# Altium PCB LM331+MCU.PcbDoc
Units mm, origin at the board's own origin, x right, y up, seen from the top; angles counter-clockwise.
Board outline 152.4 x 101.6 mm, 2 copper layers (Top Layer, Bottom Layer); 25 components, 26 nets, 137 pads, 0 vias.
Unrouted connection lines stored in the file: 1.
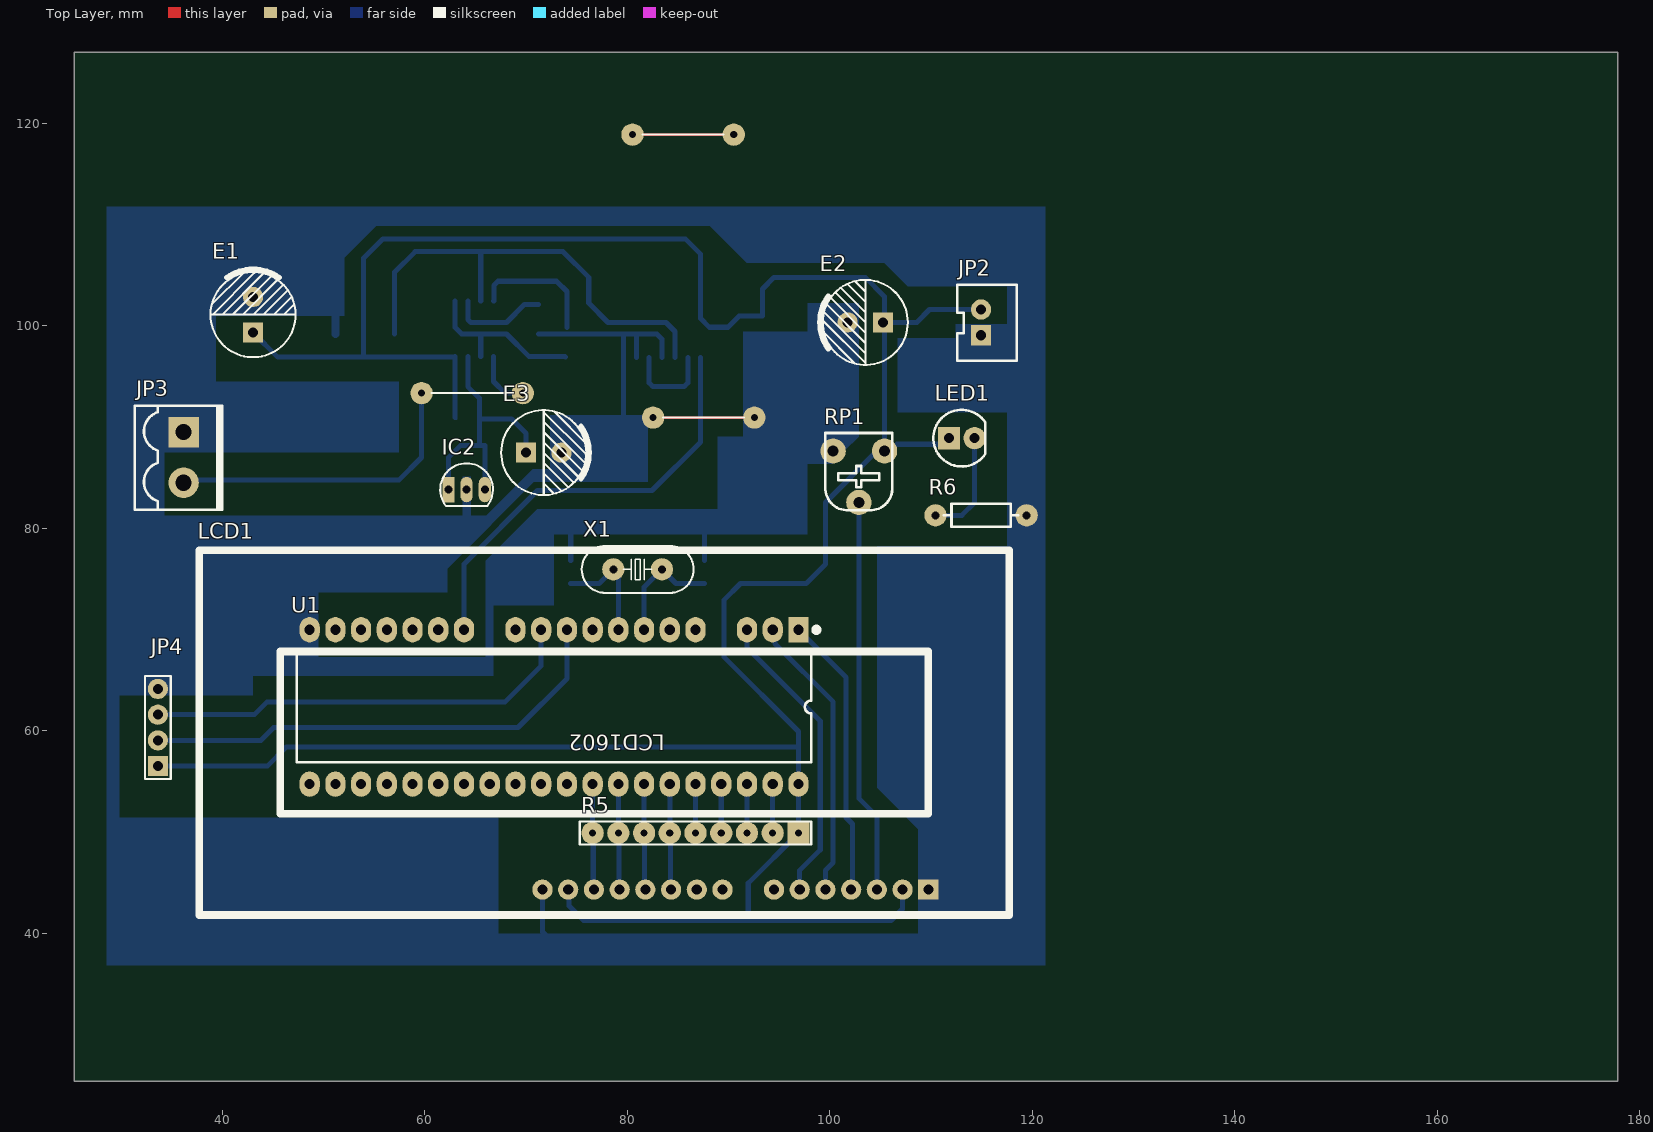
[diagram p0: Top Layer view]
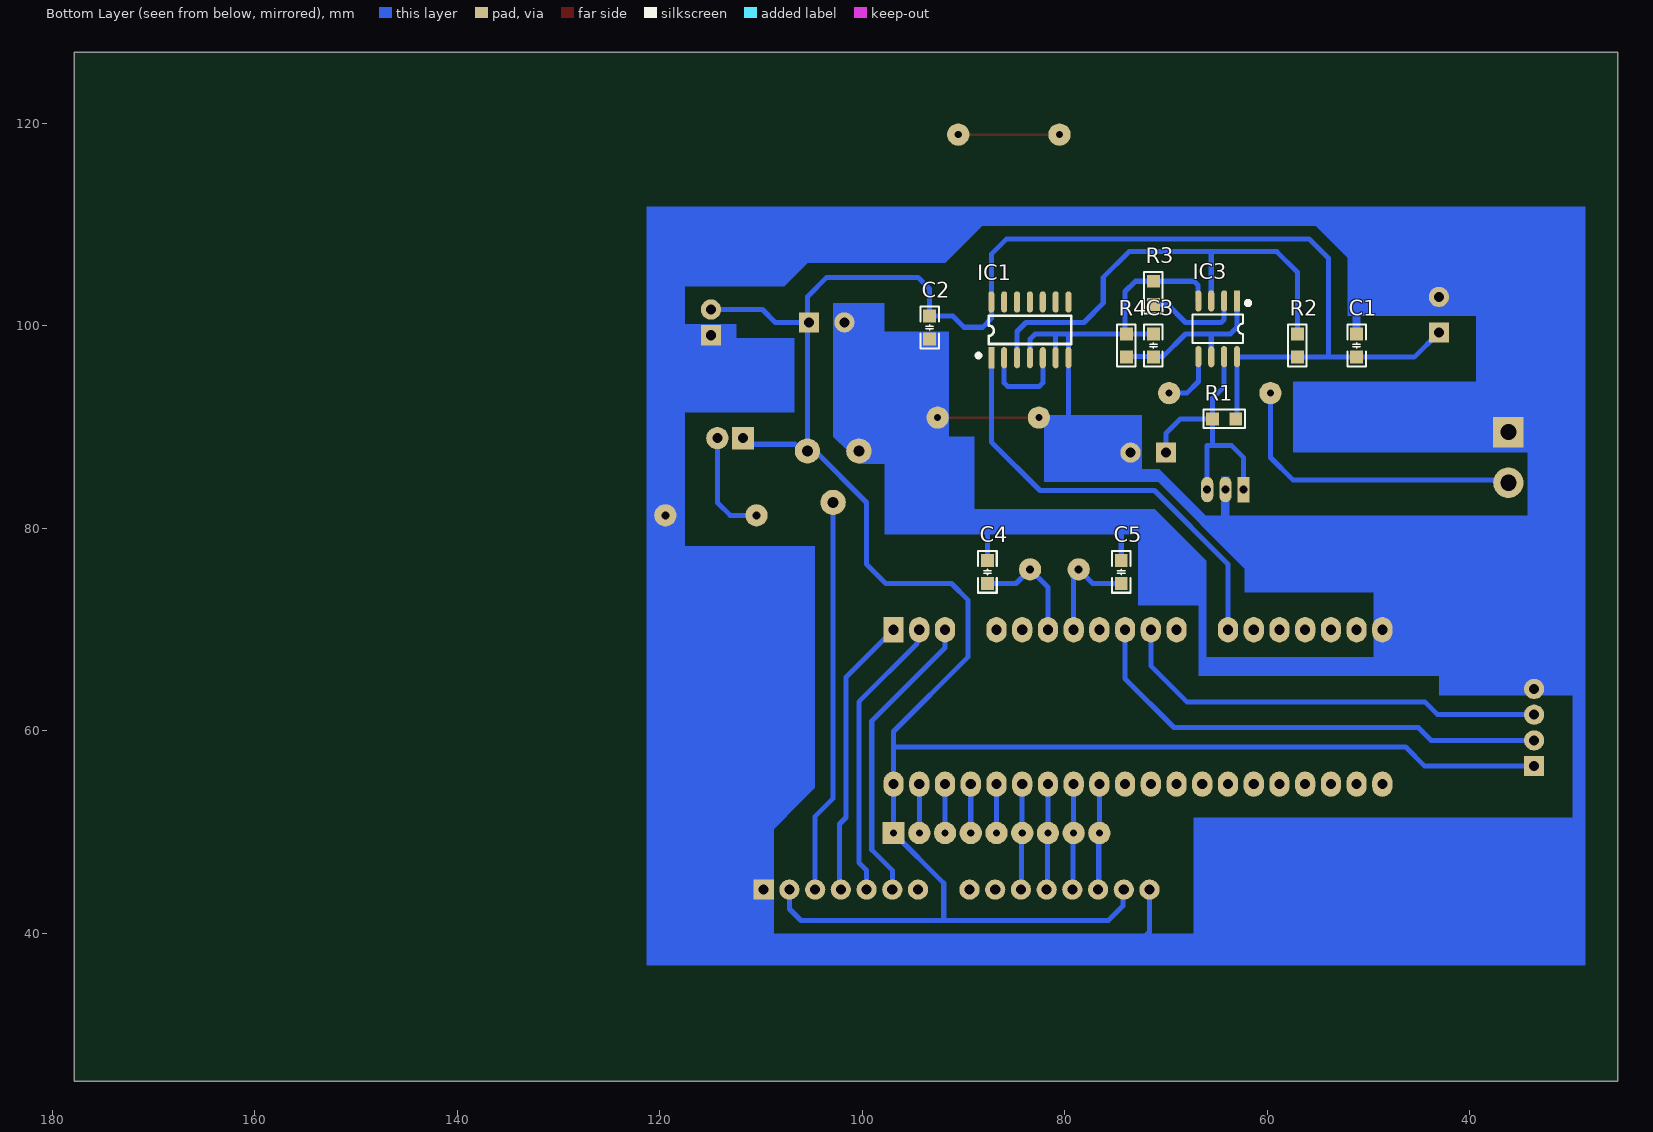
[diagram p1: Bottom Layer view, seen from below]

## Layer stack, top to bottom
Top Solder: solder mask 0.0102, Solder Resist, Dk 3.5
Top Layer: signal copper 0.0356
Dielectric 1: dielectric 0.32, FR-4, Dk 4.8
Bottom Layer: signal copper 0.0356
Bottom Solder: solder mask 0.0102, Solder Resist, Dk 3.5

## Board outline
25.4,25.4 177.8,25.4 177.8,127 25.4,127

## Design rules (kind name [scope] priority, off if disabled: settings)
Clearance [All] p1: gap=0.254 ignorepadtopadclearanceinfootprint=FALSE except(0: Arc-Hole Track-Hole SMDPad-Hole THPad-Hole Via-Hole Fill-Hole Poly-Hole Region-Hole Text-Hole)
PolygonConnect [All] p1: connectstyle=Relief reliefconductorwidth=0.254 reliefentries=4 polygonreliefangle="90 Angle" airgapwidth=0.254
RoutingVias [All] p1: holewidth=0.711 width=1.27 viastyle="Through Hole" minholewidth=0.711 minwidth=1.27 maxholewidth=0.711 maxwidth=1.27
SolderMaskExpansion [All] p1: expansion=0.102
Width [All] p1: maxlimit=1 minlimit=0.254 preferedwidth=0.8 toplayer_maxwidth=0.254 toplayer_prefwidth=0.254 bottomlayer_minwidth=0.5 minimp=50.000000 maximp=50.000000 favimp=50.000000
30 further rules are at their usual default settings.

## Components (designator, comment, footprint, x,y, rotation, side; value= is the part's Value field where it differs from the comment)
C1 "104" "C 0805_M" 51.181,98.044 r270 bottom
C2 "104" "C 0805_M" 93.345,99.822 r90 bottom
C3 "1n" "C 0805_M" 71.247,98.044 r270 bottom
C4 "30p" "C 0805_M" 87.63,75.692 r270 bottom
C5 "30p" "C 0805_M" 74.422,75.692 r270 bottom
E1 "220uF" "CAP 3.5*8*11.5" 43.053,101.092 r90 top
E2 "220uF" "CAP 3.5*8*11.5" 103.505,100.33 r180 top
E3 "100uF" "CAP 3.5*8*11.5" 71.755,87.475 r0 top
IC1 "CD4013" SOP14_M 83.439,99.596 r90 bottom
IC2 "TL431" TO92A 64.135,83.82 r270 top
IC3 "LM331" SOP8_M 64.897,99.695 r270 bottom
JP2 "HDR-1X2" XH2.54-LI-2P 114.935,100.33 r90 top
JP3 "HDR-1X2" KF2EDGK5.0-LI-2P 36.195,86.995 r270 top
JP4 "HDR-1X4" HDR2.54-LI-4P 33.655,60.325 r90 top
LCD1 "LCD 1602" LCD-1602 109.728,44.323 r180 top
LED1 "红色" "LED 5MM-B" 113.03,88.9 r0 top
R1 "4.7K" "R 0805_M" 64.262,90.805 r180 bottom
R2 "4.7K" "R 0805_M" 57.023,98.044 r270 bottom
R3 "4.7K" "R 0805_M" 71.247,103.251 r270 bottom
R4 "10K" "R 0805_M" 73.914,98.044 r270 bottom
R5 "103" "R SIP9-2.54" 86.741,49.911 r180 top
R6 "1K" "RS 1/4W" 114.935,81.28 r180 top
RP1 "10K" RM065 102.87,82.55 r180 top
U1 "STC89C52RC" DIP40-600 72.771,62.357 r270 top
X1 "12MHz" "OSC HC-49S" 81.026,75.946 r180 top

## Footprints (in the part's own frame and the unit in brackets; to place one, negate y for a bottom-side part, rotate by r counter-clockwise, add the part's x,y. Pads: shape width x height; smd on the part's side, far side on the other; paste and mask are expansions set on the pad)
"C 0805_M" [mil] "无极性贴片电容"
  rect 50x50 smd: 1(-45,0) 2(45,0)
  silkscreen extent -81,-36 81,36, body extent -39,-24 39,24, height 20
"CAP 3.5*8*11.5" [mm] "脚距3.5mm直径8mm高度11.5mm"
  rect 2x2 hole 1: 1(-1.75,0)
  round 2 hole 1: 2(1.75,0)
  silkscreen extent -4.2,-4.2 4.5,4.2, body extent -4,-4 4.01,4, height 11.53
DIP40-600 [mm] "52*15.2*4mm(长宽高)"
  rect 2.5x2 hole 1: 1(-7.62,24.13)
  oval 2.5x2 hole 1: 2(-7.62,21.59) 3(-7.62,19.05) 5(-7.62,13.97) 6(-7.62,11.43) 7(-7.62,8.89) 8(-7.62,6.35) 9(-7.62,3.81) 10(-7.62,1.27) 11(-7.62,-1.27) 12(-7.62,-3.81) 14(-7.62,-8.89) 15(-7.62,-11.43) 16(-7.62,-13.97) 17(-7.62,-16.51) 18(-7.62,-19.05) 19(-7.62,-21.59) 20(-7.62,-24.13) 21(7.62,-24.13) 22(7.62,-21.59) 23(7.62,-19.05) 24(7.62,-16.51) 25(7.62,-13.97) 26(7.62,-11.43) 27(7.62,-8.89) 28(7.62,-6.35) 29(7.62,-3.81) 30(7.62,-1.27) 31(7.62,1.27) 32(7.62,3.81) 33(7.62,6.35) 34(7.62,8.89) 35(7.62,11.43) 36(7.62,13.97) 37(7.62,16.51) 38(7.62,19.05) 39(7.62,21.59) 40(7.62,24.13)
  round 0 all layers, no hole: 4(-7.62,16.51) 13(-7.62,-6.35)
  silkscreen extent -7.87,-25.4 5.46,26.16, body extent -7.78,-26.18 7.78,26.18, height 4.7
HDR2.54-LI-4P [mm] "排针，4脚"
  rect 2x2 hole 1: 1(-3.81,0)
  round 2 hole 1: 2(-1.27,0) 3(1.27,0) 4(3.81,0)
  silkscreen extent -5.08,-1.27 5.08,1.27, body extent -5.08,-1.27 5.08,1.27, height 8.5
KF2EDGK5.0-LI-2P [mm] "立插端子"
  rect 3x3 hole 1.6: 1(-2.5,0)
  round 3 hole 1.6: 2(2.5,0)
  silkscreen extent -5.12,-4.83 5.17,3.81, body extent -5.04,-4.75 5.04,3.75, height 11.25
LCD-1602 [mm] "LCD module 16*2 char"
  rect 2x2 hole 1: 1(0,0)
  round 2 hole 1: 2(2.54,0) 3(5.08,0) 4(7.62,0) 5(10.16,0) 6(12.7,0) 7(15.24,0) 9(20.32,0) 10(22.86,0) 11(25.4,0) 12(27.94,0) 13(30.48,0) 14(33.02,0) 15(35.56,0) 16(38.1,0)
  round 0 all layers, no hole: 8(17.78,0)
  silkscreen extent -8,-33.5 72,2.5, body extent -8.15,-33.11 71.85,1.89, height 9
"LED 5MM-B" [mm] "蓝色5mm直插LED"
  rect 2.2x2.2 hole 1: 1(-1.27,0)
  round 2.2 hole 1: 2(1.27,0)
  silkscreen extent -2.8,-2.8 2.33,2.8, body extent -2.85,-2.85 2.45,2.85, height 8.75
"OSC HC-49S" [mm]
  round 2.2 hole 0.8: 1(-2.4,0) 2(2.4,0)
  silkscreen extent -5.52,-2.32 5.52,2.33, body extent -5.52,-2.32 5.53,2.33, height 4.13
"R 0805_M" [mil] "1/8W贴片电阻"
  rect 50x50 smd: 1(-45,0) 2(45,0)
  silkscreen extent -81,-36 81,36, body extent -39,-25 39,25, height 20
"R SIP9-2.54" [mm] "22.6mm*5mm*2.2mm(长*宽*厚)"
  rect 2.2x2.2 hole 0.7: 1(-10.16,0)
  round 2.2 hole 0.7: 2(-7.62,0) 3(-5.08,0) 4(-2.54,0) 5(0,0) 6(2.54,0) 7(5.08,0) 8(7.62,0) 9(10.16,0)
  silkscreen extent -11.43,-1.14 11.43,1.14, body extent -11.31,-0.96 11.31,0.96, height 5.2
RM065 [mm] "蓝白可调电位器"
  round 2.5 hole 1.1: 1(-2.54,-5.08) 2(0,0) 3(2.54,-5.08)
  silkscreen extent -3.3,-6.86 3.3,0.76, body extent -3.25,-6.83 3.25,0.75, height 7.6
"RS 1/4W" [mm] "直插色环电阻，脚距9mm，直径2.3mm"
  round 2.2 hole 0.8: 1(-4.5,0) 2(4.5,0)
  silkscreen extent -3.68,-1.14 3.68,1.14, body extent -4.72,-1.16 4.73,1.16, height 2.32
SOP8_M [mm] "5*6*1.8mm（长宽高）"
  rect 2.1x0.6 smd: 1(-2.75,1.905)
  oval 2.1x0.6 smd: 2(-2.75,0.635) 3(-2.75,-0.635) 4(-2.75,-1.905) 5(2.75,-1.905) 6(2.75,-0.635) 7(2.75,0.635) 8(2.75,1.905)
  silkscreen extent -2.69,-2.5 1.4,3.15, body extent -3,-2.5 3,2.5, height 1.9
SOP14_M [mm] "8.7*6.2*1.8mm（长宽高）"
  rect 2.1x0.6 smd: 1(-2.75,3.81)
  oval 2.1x0.6 smd: 2(-2.75,2.54) 3(-2.75,1.27) 4(-2.75,0) 5(-2.75,-1.27) 6(-2.75,-2.54) 7(-2.75,-3.81) 8(2.75,-3.81) 9(2.75,-2.54) 10(2.75,-1.27) 11(2.75,0) 12(2.75,1.27) 13(2.75,2.54) 14(2.75,3.81)
  silkscreen extent -2.67,-4.06 1.4,5.21, body extent -3,-4.35 3,4.35, height 1.9
TO92A [mm] "92晶体管"
  rect 2.5x1.2 hole 0.8: 1(0,-1.8)
  oval 2.5x1.2 hole 0.8: 2(0,0) 3(0,1.8)
  silkscreen extent -2.6,-2.6 1.6,2.6, body extent -2.3,-2.3 1.3,2.3, height 7.6
XH2.54-LI-2P [mm] "接插件，2P"
  rect 2x2 hole 1: 1(-1.27,0)
  round 2 hole 1: 2(1.27,0)
  silkscreen extent -3.81,-3.51 3.74,2.37, body extent -3.77,-3.3 3.77,2.4, height 7.05

## Part data
C1 C2 C3 C4 C5: library part C, "无极性贴片电容"
E1 E2 E3: library part C-CAP, "直插电解电容"
IC2: library part TL431-ID, "可调基准稳压芯片", BOM名称=¿Éµ÷»ù×, 学习资源=www.ooocke.
IC3: "频率电压转换器"
JP2 JP3: library part "Header 2", "2P接插件", BOM名称=2P接, 学习资源=www.ooocke.
JP4: library part "Header 4", "4P接插件", BOM名称=4P接, 学习资源=www.ooocke.
LED1: library part LED-5MM, "5mm插件LED", BOM名称=5mm插件LED, 学习资源=www.ooocke.com, 版权归属=源创客
R1 R2 R3 R4: library part R, "贴片电阻"
R5: library part "R SIP9", "单列直插排阻"
R6: library part R-CRR, "直插色环电阻"
RP1: library part RP-ID, "插件单联电位器"
U1: "STC单片机", BOM名称=STC单, 学习资源=www.ooocke.
X1: library part XTAL-2P, "2脚无源脚晶振", BOM名称=2½ÅÎÞÔ, 学习资源=www.ooocke.
LCD1: BOM名称="LCD 160", 学习资源=www.ooocke.

## Free pads (board coordinates)
  round 2.2 hole 0.7: 1(59.69,93.345) 1(80.518,118.872) 1(82.55,90.932) 2(69.69,93.345) 2(90.518,118.872) 2(92.55,90.932)

## Nets (pads, with @x,y where several pads share a name; then routed paths per layer and width w, separated by ;. In a path a pad name is that pad's centre, name@x,y a point inside that pad or via, vN(x,y) a via of type N, cw(c..) or ccw(c..) an arc to the next point about the centre after c; other vN are vias at no path point)
1Q: IC1.1 U1.14 | length 43.2
  Bottom Layer w0.5: U1.14 63.881,76.454 71.147,83.72 82.45,83.72 87.249,88.519 IC1.1
cin: E3.1 IC2.1 IC2.3 IC3.7 R1.1 | length 27.9
  Bottom Layer w0.5: IC2.1 62.335,86.973 63.522,88.16 65.405,88.16 ; IC3.7 64.262,93.98 65.405,92.837 R1.1 ; IC2.3 65.935,88.16 65.405,88.16 ; E3.1 70.005,89.38 68.58,90.805 R1.1 ; 65.405,88.16 R1.1
D4: LCD1.11 R5.6 U1.35 | length 10.5
  Bottom Layer w0.5: U1.35 R5.6 84.264,49.847 84.264,44.386 LCD1.11
D5: LCD1.12 R5.7 U1.34 | length 10.5
  Bottom Layer w0.5: U1.34 R5.7 81.724,49.848 81.724,44.386 LCD1.12
D6: LCD1.13 R5.8 U1.33 | length 10.4
  Bottom Layer w0.5: U1.33 R5.8 79.185,49.847 LCD1.13@79.185,44.386
D7: LCD1.14 R5.9 U1.32 | length 10.4
  Bottom Layer w0.5: U1.32 R5.9 76.644,49.847 LCD1.14@76.644,44.386
EN: LCD1.6 U1.3 | length 29.5
  Bottom Layer w0.5: U1.3 91.821,68.199 99.06,60.96 99.06,48.26 97.028,46.228 LCD1.6
F_O: IC1.3 IC3.3 R2.1 | length 46.8
  Bottom Layer w0.5: R2.1 57.023,105.283 59.055,107.315 65.532,107.315 ; IC3.3 65.532,107.315 ; IC1.3 84.709,99.441 83.82,100.33 78.105,100.33 76.2,102.235 76.2,104.775 73.66,107.315 65.532,107.315
GND: C1.1 C2.1 C3.1 C4.1 C5.1 E1.2 E2.2 E3.2 IC1.4 IC1.6 IC1.7 IC2.2 IC3.4 JP2.1 JP3.1 JP4.4 LCD1.1 LCD1.16 pad.1@82.55,90.932 pad.2@92.55,90.932 R3.1 R4.1 R6.1 RP1.3 U1.20 | length 268.1
  Top Layer w0.254: pad.1@82.55,90.932 pad.2@92.55,90.932
  Bottom Layer w0.5: 32.385,80.645 33.655,80.645 ; JP4.4 33.655,80.645 ; U1.20 48.641,69.596 45.72,66.675 64.77,66.675 ; 62.61,80.645 33.655,80.645 ; 64.035,82.07 64.035,83.72 IC2.2 ; 66.675,73.139 66.675,73.914 72.771,80.01 74.422,80.01 ; IC3.4 66.821,102.464 66.821,103.969 67.246,104.394 R3.1 73.025,104.394 74.041,103.378 74.041,99.85 ; C3.1 R4.1 79.629,99.187 ; LCD1.16 71.628,40.132 73.66,38.1 107.188,38.1 109.728,40.64 LCD1.1 ; E3.2 73.505,90.015 74.422,90.932 79.61,90.932 ; C5.1 74.422,80.01 ; IC1.6 80.899,99.06 81.026,99.187 ; pad.1@82.55,90.932 79.61,90.932 ; IC1.4 83.439,98.666 82.918,99.187 81.026,99.187 ; C4.1 87.63,80.01 ; pad.2@92.55,90.932 93.345,91.727 93.345,98.171 93.091,98.425 C2.1@93.345,98.425 ; C2.1 100.104,98.679 E2.2 101.755,89.055 RP1.3 95.25,87.63 87.63,80.01 ; 101.6,111.125 101.755,110.97 ; 74.422,80.01 87.63,80.01 ; 79.61,90.932 79.629,90.951 IC1.7 79.629,99.187 ; 79.629,99.187 81.026,99.187
  Bottom Layer w0.8: E1.2 50.066,102.842 51.181,101.727 C1.1
NetC3_2: C3.2 IC3.1 IC3.6 R4.2 | length 17
  Bottom Layer w0.5: IC3.1 62.992,99.85 63.655,99.187 65.532,99.187 ; IC3.6 65.532,99.187 ; R4.2 73.87,96.945 70.314,96.945 68.072,99.187 65.532,99.187
NetIC1_2: IC1.2 IC1.5 | length 9.1
  Bottom Layer w0.5: IC1.5 82.169,94.361 82.55,93.98 85.598,93.98 85.979,94.361 IC1.2
NetIC3_2: IC3.2 R3.2 | length 9.7
  Bottom Layer w0.5: IC3.2 64.262,100.623 64.555,100.33 68.072,100.33 69.85,102.108 R3.2
NetLCD1_3: LCD1.3 RP1.2 | length 39
  Bottom Layer w0.5: RP1.2 102.87,53.34 104.648,51.562 LCD1.3
NetLED1_2: LED1.2 R6.2 | length 10.7
  Bottom Layer w0.5: R6.2 113.03,81.28 114.3,82.55 LED1.2
NetR5_2: R5.2 U1.39 | length 4.8
  Bottom Layer w0.5: R5.2 U1.39
NetR5_3: R5.3 U1.38 | length 4.8
  Bottom Layer w0.5: R5.3 U1.38
NetR5_4: R5.4 U1.37 | length 4.8
  Bottom Layer w0.5: R5.4 U1.37
NetR5_5: R5.5 U1.36 | length 4.8
  Bottom Layer w0.5: R5.5 U1.36
RS: LCD1.4 U1.1 | length 27.9
  Bottom Layer w0.5: U1.1 101.6,65.278 101.6,51.435 102.235,50.8 102.235,44.45 LCD1.4
RW: LCD1.5 U1.2 | length 28.4
  Bottom Layer w0.5: U1.2 94.591,69.747 94.591,68.604 100.33,62.865 100.33,46.99 99.568,46.228 LCD1.5
RXD: JP4.2 U1.10 | length 47.7
  Bottom Layer w0.5: JP4.2 43.815,59.055 45.085,60.325 69.215,60.325 74.041,65.151 U1.10
Ser_IN: IC3.5 JP3.2 pad.1@59.69,93.345 pad.2@69.69,93.345 | length 36.6
  Bottom Layer w0.5: JP3.2@36.195,84.749 51.435,84.749 57.444,84.749 59.69,86.995 pad.1@59.69,93.345 ; IC3.5 66.802,94.488 67.945,93.345 pad.2@69.69,93.345
TXD: JP4.3 U1.11 | length 43.4
  Bottom Layer w0.5: JP4.3 43.18,61.595 44.45,62.865 67.945,62.865 71.501,66.421 U1.11
VCC: C1.2 C2.2 E1.1 E2.1 IC1.14 IC3.8 JP2.2 JP4.1 LCD1.2 LCD1.15 LED1.1 R1.2 R2.2 R5.1 RP1.1 U1.40 | length 297
  Bottom Layer w0.254: R1.2@62.992,90.932 R1.2
  Bottom Layer w0.5: JP4.1 44.45,56.515 46.355,58.42 96.901,58.42 ; E1.1 45.494,96.901 C1.2 R2.2 62.948,96.901 IC3.8 63.011,96.926 63.011,90.951 R1.2@62.992,90.932 ; 53.975,97.155 53.975,106.68 55.88,108.585 85.725,108.585 87.249,107.061 IC1.14 87.249,100.711 88.11,99.85 89.944,99.85 91.059,100.965 C2.2 93.345,103.632 94.488,104.775 103.505,104.775 105.41,102.87 105.41,100.485 E2.1 ; LCD1.15 74.244,44.247 74.244,42.723 75.692,41.275 91.948,41.275 ; LCD1.2 107.188,42.418 106.045,41.275 91.948,41.275 ; LED1.1 111.16,88.3 106.621,88.3 105.951,87.63 RP1.1 ; JP2.2 109.855,101.6 108.585,100.33 E2.1 ; 91.948,41.275 91.948,44.958 R5.1 U1.40 96.901,58.42 ; 96.901,58.42 96.901,59.944 89.535,67.31 89.535,72.898 91.186,74.549 97.663,74.549 99.568,76.454 99.568,82.55 104.648,87.63 RP1.1 ; E2.1 105.41,100.175 RP1.1
XTAL1: C4.2 U1.7 X1.1 | length 11.5
  Bottom Layer w0.5: U1.7 81.661,74.181 X1.1 84.823,74.549 C4.2
XTAL2: C5.2 U1.8 X1.2 | length 11
  Bottom Layer w0.5: C5.2 77.229,74.549 X1.2 78.626,75.679 79.121,75.184 U1.8
pads on no net: IC1.8 IC1.9 IC1.10 IC1.11 IC1.12 IC1.13 LCD1.7 LCD1.8 LCD1.9 LCD1.10 U1.4 U1.5 U1.6 U1.9 U1.12 U1.13 U1.15 U1.16 U1.17 U1.18 U1.19 U1.21 U1.22 U1.23 U1.24 U1.25 U1.26 U1.27 U1.28 U1.29 U1.30 U1.31
copper on no net: | length 10
  Top Layer w0.254: 80.518,118.872 90.518,118.872

## Polygon pours and split planes (outlines as drawn)
no net on Bottom Layer "Bottom Layer-No Net" (solid, pour order 2): 29.21,50.8
no net on Bottom Layer "Bottom Layer-No Net 1" (solid, pour order 0): 28.575,111.76

## Other copper
Bottom Layer:
  rectangle net GND: 106.68,91.44 117.856,98.806
  rectangle net GND: 72.39,84.582 82.042,91.186
  rectangle net GND: 72.39,84.582 74.676,91.186
  rectangle net GND: 70.626,84.582 74.676,85.838
  rectangle net GND: 64.98,80.264 66.04,81.28
  rectangle net GND: 64.008,79.756 65.278,81.28
  region net GND: 62.039,76.644 64.98,79.585 63.392,81.172 60.452,78.232
  region net GND: 61.813,75.589 71.344,85.12 70.626,85.838 61.095,76.308
  rectangle net GND: 63.754,80.645 64.555,85.09
  rectangle net GND: 61.722,80.01 64.555,81.28
  region net GND: 51.764,106.374 55.372,109.982 53.785,111.57 50.177,107.962
  region net GND: 92.71,109.22 90.805,111.125 89.653,109.973 91.558,108.068
  region net GND: 92.899,107.25 88.884,111.264 87.807,110.186 91.821,106.172
  region net GND: 109.347,105.537 106.114,108.77 104.454,107.11 107.687,103.877
  rectangle net GND: 107.696,103.886 119.126,107.696
  rectangle net GND: 91.821,106.172 118.618,110.998
  region net GND: 110.216,48.788 112.551,51.123 106.983,56.691 104.648,54.356
  rectangle net GND: 104.648,54.356 109.22,78.232
  rectangle net GND: 108.712,39.37 118.364,78.232
  region net GND: 101.433,87.618 102.87,89.055 102.421,89.504 100.984,88.067
  rectangle net GND: 97.79,89.055 102.87,102.235
  rectangle net GND: 91.44,87.884 101.6,99.441
  rectangle net GND: 95.885,86.36 100.33,89.055
  rectangle net GND: 88.9,79.375 97.79,89.055
  region net GND: 69.924,75.459 72.48,78.015 71.623,78.872 69.068,76.316
  region net GND: 68.075,75.06 73.025,80.01 71.303,81.732 66.353,76.783
  region net GND: 66.437,76.333 71.569,81.466 71.12,81.915 65.988,76.783
  rectangle net GND: 71.628,79.375 97.79,81.915
  rectangle net GND: 71.12,75.946 72.771,81.915
  rectangle net GND: 66.04,72.39 72.771,76.835
  rectangle net GND: 65.988,65.659 66.802,76.835
  rectangle net GND: 41.91,65.405 66.802,67.31
  rectangle net GND: 39.37,66.421 49.53,75.946
  rectangle net GND: 33.02,63.5 43.053,73.914
  rectangle net GND: 33.02,73.66 62.23,81.28
  rectangle net GND: 52.07,87.475 57.444,94.488
  rectangle net GND: 38.1,87.475 53.34,94.488
  rectangle net GND: 29.21,63.5 34.29,88.9
  rectangle net GND: 29.21,87.475 39.37,102.87
  rectangle net GND: 112.395,95.885 119.38,100.175
  rectangle net GND: 117.475,37.465 121.285,111.76
  rectangle net GND: 50.8,109.855 121.285,111.76
  rectangle net GND: 29.21,39.37 67.31,51.435
  rectangle net GND: 28.575,36.83 121.285,40.005
  rectangle net GND: 28.575,36.83 29.845,111.76
  rectangle net GND: 28.575,100.965 52.07,111.76

## Silkscreen, mask and mechanical layers (free items; w line width, h text height)
Top Overlay:
  lines w0.2: 60.69,93.345 68.69,93.345 ; 81.518,118.872 89.518,118.872 ; 83.55,90.932 91.55,90.932
Mechanical 1:
  lines w0.5: 28.575,36.83 121.285,36.83 121.285,111.76 28.575,111.76 28.575,84.455 28.575,36.83
Mechanical 15:
  circle w0.05: c85.518,118.872 r0.35
  circle w0.05: c64.69,93.345 r0.35
  circle w0.05: c87.55,90.932 r0.35
  lines w0.05: 64.19,93.345 65.19,93.345 ; 64.69,92.845 64.69,93.845 ; 85.018,118.872 86.018,118.872 ; 85.518,118.372 85.518,119.372 ; 87.05,90.932 88.05,90.932 ; 87.55,90.432 87.55,91.432

## Text inside footprints (layer, text, board x,y; h text height)
LCD1: Top Overlay "LCD1602" at 83.692,59.603 h1.52 r180